# KiCad board ISA_PC104 Backplane.kicad_pcb
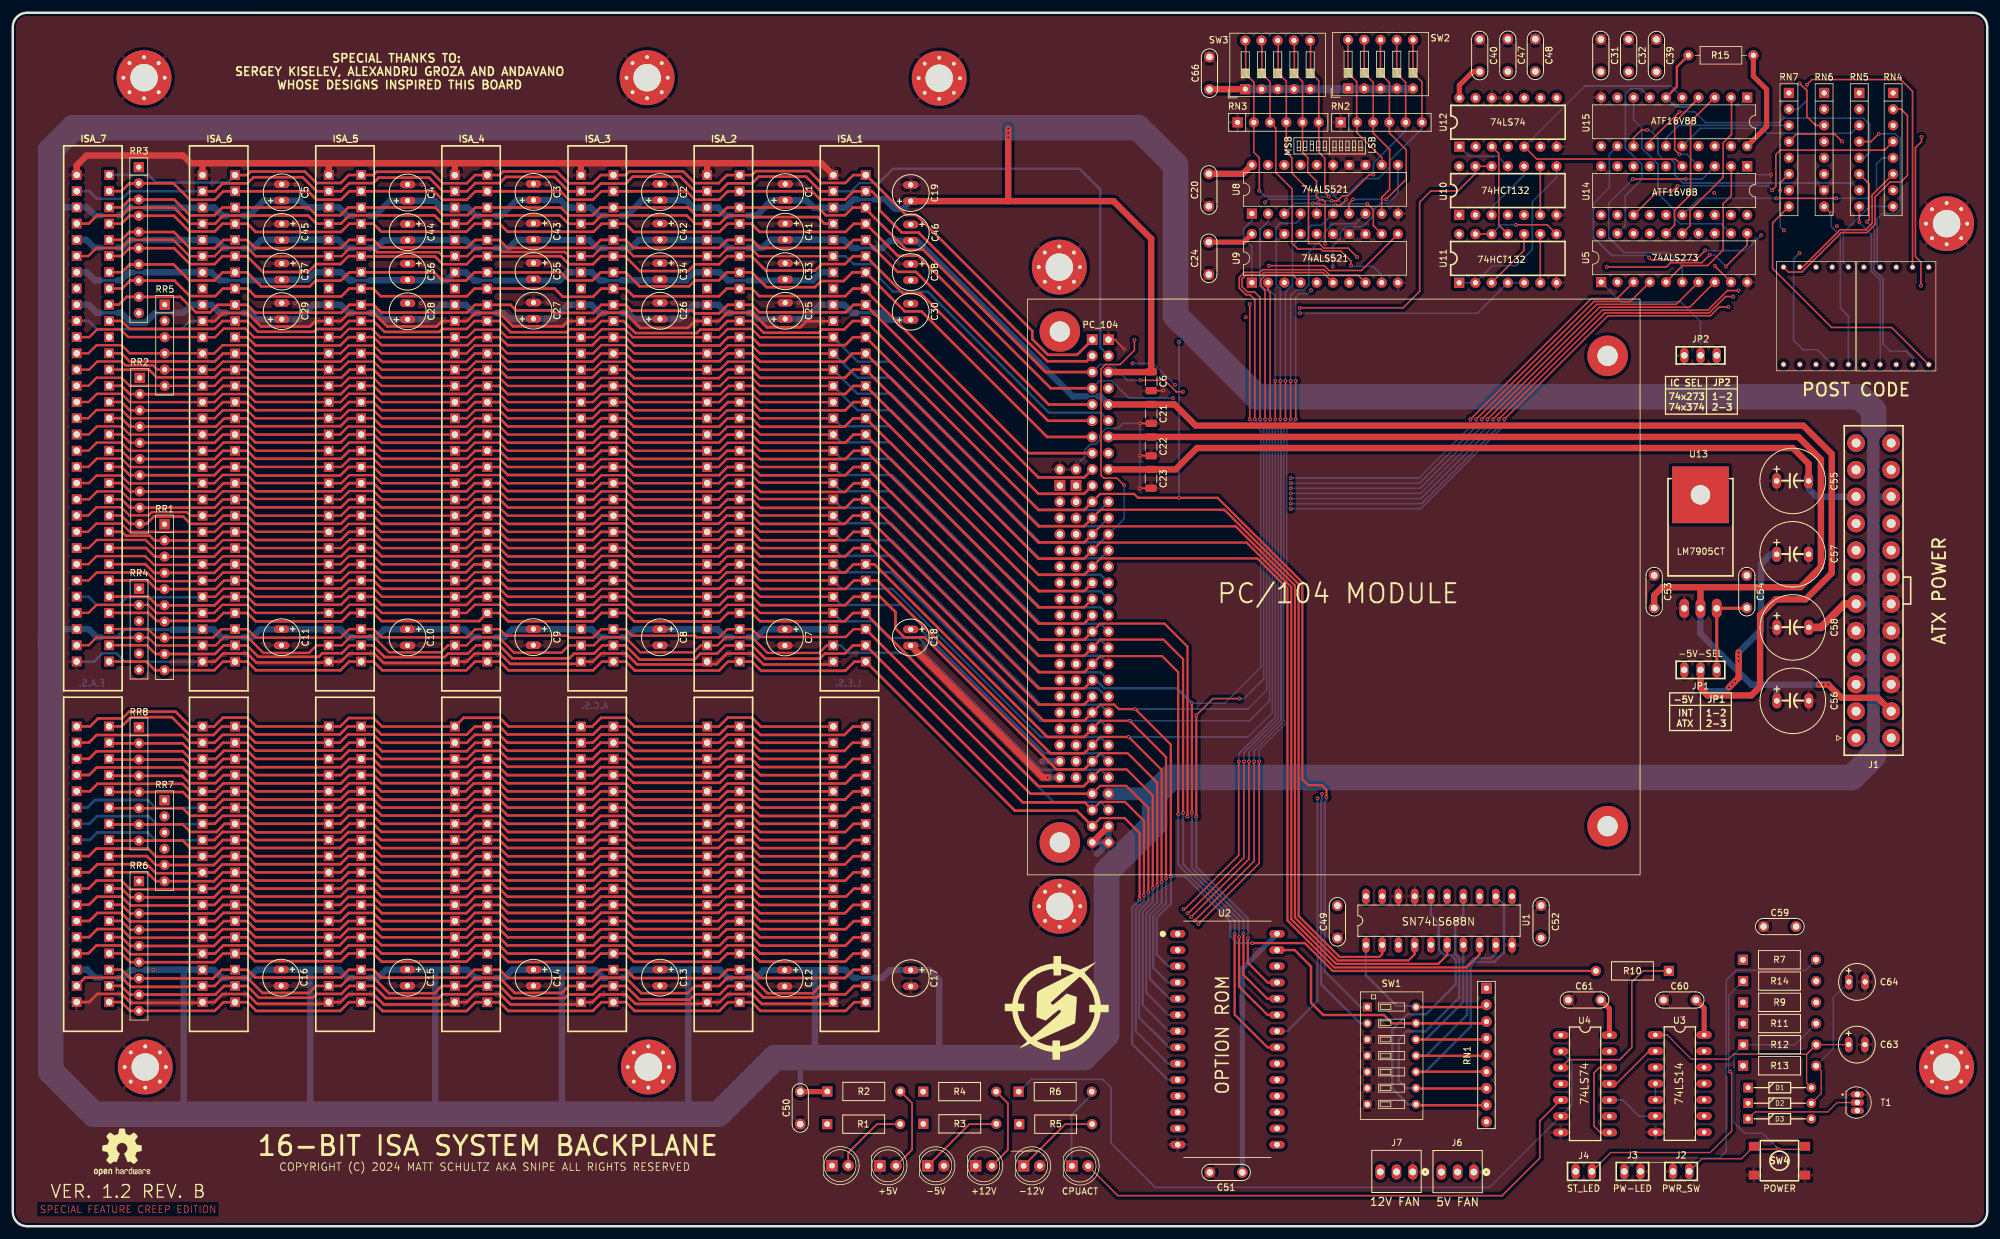
[diagram p0: board, top side]
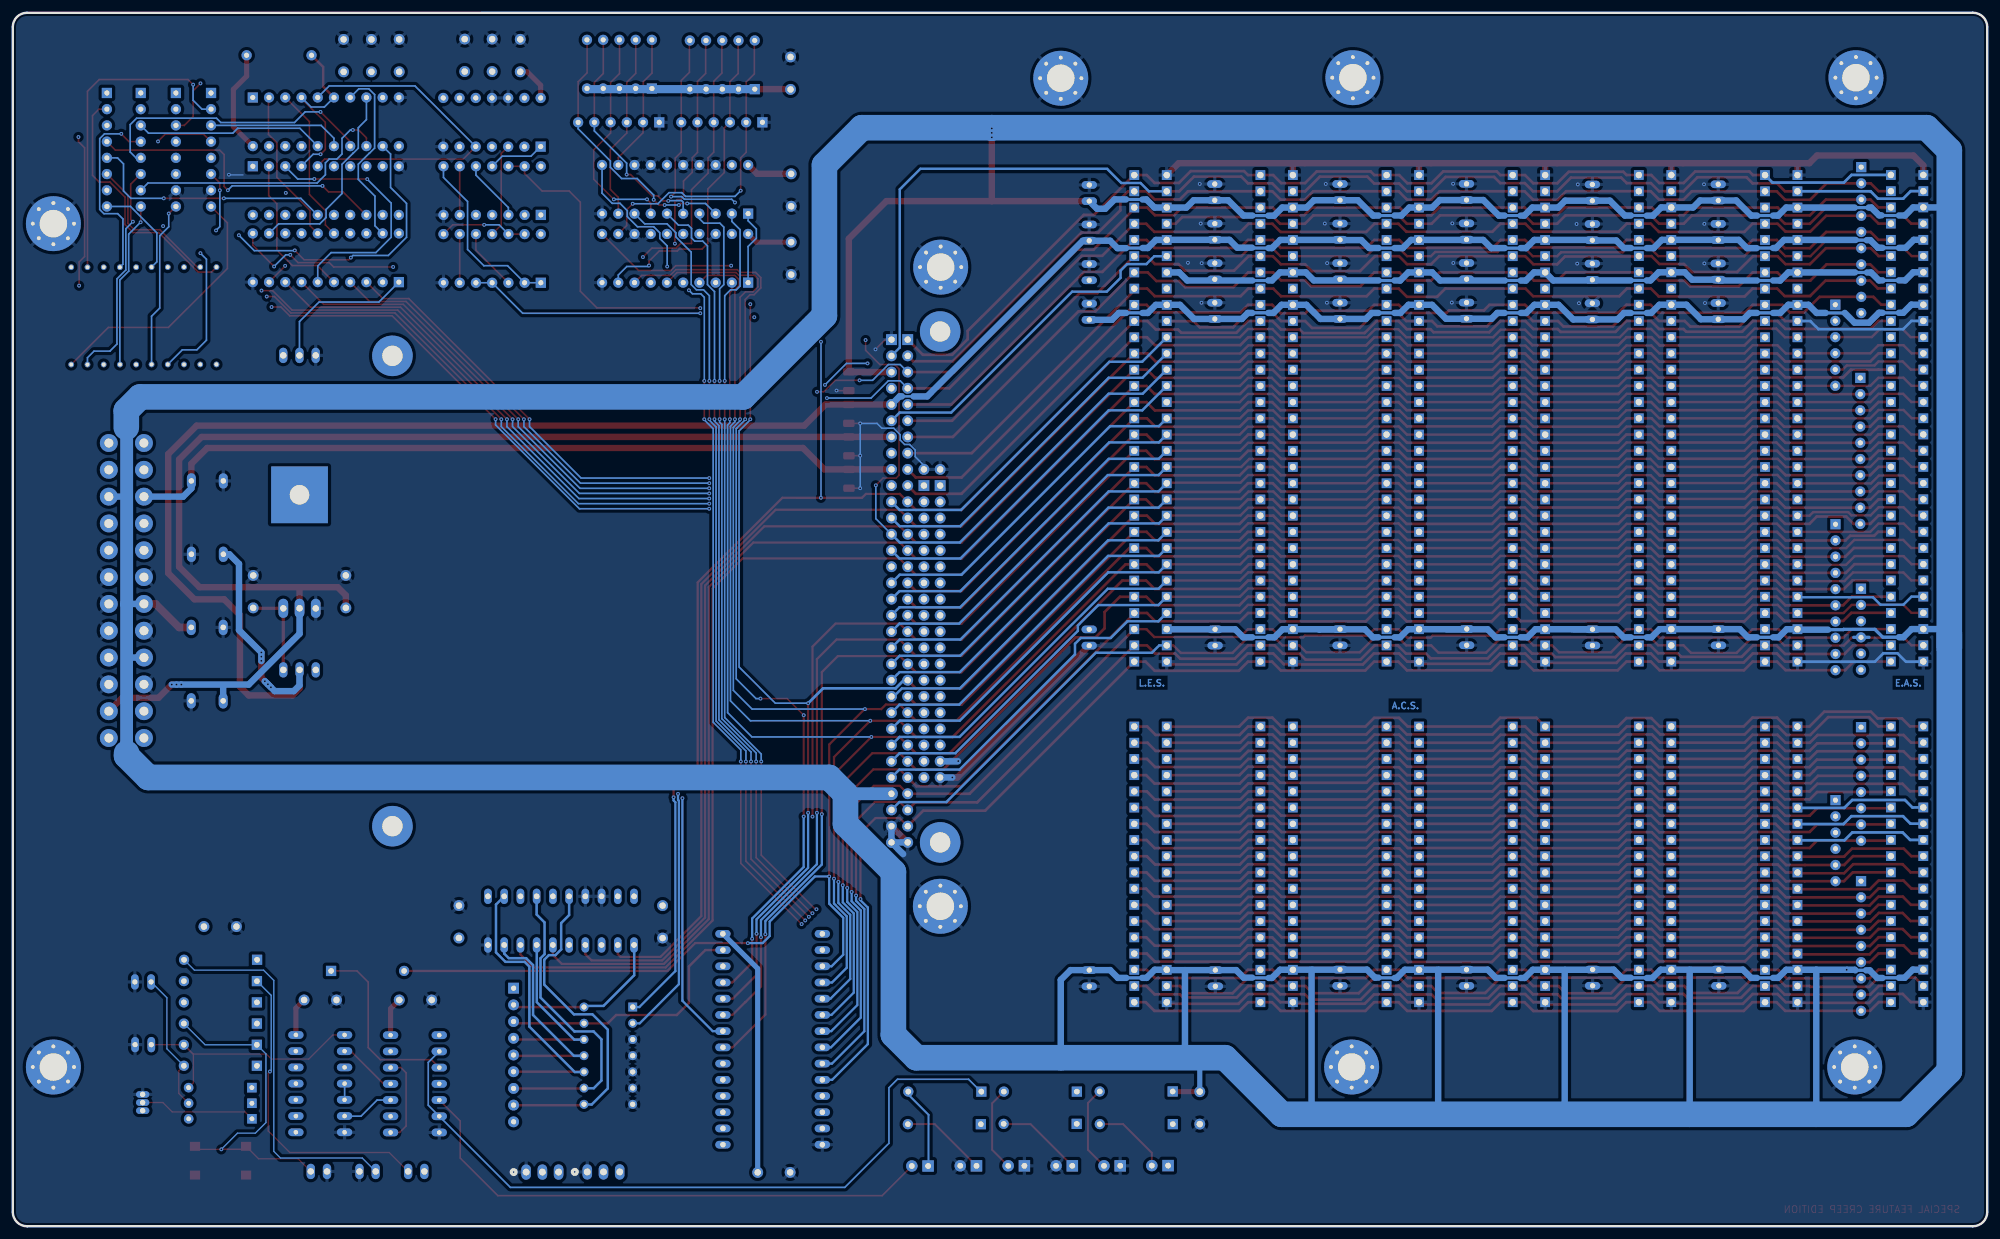
[diagram p1: board, bottom side, seen from below]

Outline 309.03 x 190.04 mm; copper layers: Top, In1.Cu, In2.Cu, Bottom. Coordinates in mm from the lower left corner of the outline.
Outline path: 0,187.81 arc(0.65,189.39) 2.22,190.04 306.8,190.04 arc(308.38,189.39) 309.03,187.81 309.03,2.23 arc(308.38,0.65) 306.8,0 2.23,0 arc(0.65,0.65) 0,2.23 0,187.81
Stack: Top 0.035mm / dielectric 0.1mm FR4 er 4.5 / In1.Cu 0.035mm / dielectric 1.24mm FR4 er 4.5 / In2.Cu 0.035mm / dielectric 0.1mm FR4 er 4.5 / Bottom 0.035mm

## Placement (name value [footprint] x y rotation side)
2024  LOGO  [SnipE_logo_silkscreen]  163.4 34.18 0 top
C1  10uF  [CAP_T350E_5p5X5p5-2p54_KEM]  120.9 161.95 90 top
C2  10uF  [CAP_T350E_5p5X5p5-2p54_KEM]  101.3 161.96 90 top
C3  10uF  [CAP_T350E_5p5X5p5-2p54_KEM]  81.5 161.98 90 top
C4  10uF  [CAP_T350E_5p5X5p5-2p54_KEM]  61.8 161.88 90 top
C5  10uF  [CAP_T350E_5p5X5p5-2p54_KEM]  42.1 161.91 90 top
C6  10uF  [C_1206_3216Metric]  178.18 132.34 270 top
C7  10uF  [CAP_T350E_5p5X5p5-2p54_KEM]  120.85 92.21 270 top
C8  10uF  [CAP_T350E_5p5X5p5-2p54_KEM]  101.3 92.24 270 top
C9  10uF  [CAP_T350E_5p5X5p5-2p54_KEM]  81.47 92.26 270 top
C10  10uF  [CAP_T350E_5p5X5p5-2p54_KEM]  61.78 92.22 270 top
C11  10uF  [CAP_T350E_5p5X5p5-2p54_KEM]  42.07 92.24 270 top
C12  10uF  [CAP_T350E_5p5X5p5-2p54_KEM]  120.81 38.84 270 top
C13  10uF  [CAP_T350E_5p5X5p5-2p54_KEM]  101.3 38.92 270 top
C14  10uF  [CAP_T350E_5p5X5p5-2p54_KEM]  81.5 38.91 270 top
C15  10uF  [CAP_T350E_5p5X5p5-2p54_KEM]  61.76 38.93 270 top
C16  10uF  [CAP_T350E_5p5X5p5-2p54_KEM]  42.01 38.92 270 top
C17  10uF  [CAP_T350E_5p5X5p5-2p54_KEM]  140.54 38.84 270 top
C18  10uF  [CAP_T350E_5p5X5p5-2p54_KEM]  140.55 92.2 270 top
C19  10uF  [CAP_T350E_5p5X5p5-2p54_KEM]  140.54 161.81 90 top
C20  0.1uF  [CAP22]  187.2 162.28 90 top
C21  10uF  [C_1206_3216Metric]  178.18 127.22 90 top
C22  10uF  [C_1206_3216Metric]  178.16 122.14 90 top
C23  10uF  [C_1206_3216Metric]  178.15 117.06 270 top
C24  0.1uF  [CAP22]  187.2 151.58 270 top
C25  10uF  [CAP_T350E_5p5X5p5-2p54_KEM]  120.89 143.36 90 top
C26  10uF  [CAP_T350E_5p5X5p5-2p54_KEM]  101.3 143.36 90 top
C27  10uF  [CAP_T350E_5p5X5p5-2p54_KEM]  81.5 143.39 90 top
C28  10uF  [CAP_T350E_5p5X5p5-2p54_KEM]  61.8 143.29 90 top
C29  10uF  [CAP_T350E_5p5X5p5-2p54_KEM]  42.1 143.31 90 top
C30  10uF  [CAP_T350E_5p5X5p5-2p54_KEM]  140.54 143.22 90 top
C31  0.1uF  [CAP22]  248.55 183.34 90 top
C32  0.1uF  [CAP22]  252.9 183.33 270 top
C33  10uF  [CAP_T350E_5p5X5p5-2p54_KEM]  120.89 149.56 270 top
C34  10uF  [CAP_T350E_5p5X5p5-2p54_KEM]  101.3 149.56 270 top
C35  10uF  [CAP_T350E_5p5X5p5-2p54_KEM]  81.5 149.59 270 top
C36  10uF  [CAP_T350E_5p5X5p5-2p54_KEM]  61.8 149.49 270 top
C37  10uF  [CAP_T350E_5p5X5p5-2p54_KEM]  42.1 149.51 270 top
C38  10uF  [CAP_T350E_5p5X5p5-2p54_KEM]  140.55 149.42 270 top
C39  0.1uF  [CAP22]  257.25 183.33 270 top
C40  10uF  [CAP22]  229.6 183.34 270 top
C41  10uF  [CAP_T350E_5p5X5p5-2p54_KEM]  120.89 155.76 270 top
C42  10uF  [CAP_T350E_5p5X5p5-2p54_KEM]  101.3 155.76 270 top
C43  10uF  [CAP_T350E_5p5X5p5-2p54_KEM]  81.5 155.79 270 top
C44  10uF  [CAP_T350E_5p5X5p5-2p54_KEM]  61.8 155.69 270 top
C45  10uF  [CAP_T350E_5p5X5p5-2p54_KEM]  42.1 155.71 270 top
C46  10uF  [CAP_T350E_5p5X5p5-2p54_KEM]  140.55 155.61 270 top
C47  0.1uF  [CAP22]  234 183.38 270 top
C48  0.1uF  [CAP22]  238.3 183.38 270 top
C49  100nF  [CAP22]  207.32 47.67 90 top
C50  100nF  [CAP22]  123.25 18.53 90 top
C51  100nF  [CAP22]  189.9 8.43 0 top
C52  100nF  [CAP22]  239.2 47.68 270 top
C53  100nF  [CAP22]  256.9 99.38 270 top
C54  100nF  [CAP22]  271.4 99.38 270 top
C55  47uF  [CAP_PL_10X13_NCH]  281.08 116.72 180 top
C56  47uF  [CAP_PL_10X13_NCH]  281.1 82.28 180 top
C57  47uF  [CAP_PL_10X13_NCH]  281.07 105.23 180 top
C58  47uF  [CAP_PL_10X13_NCH]  281.1 93.78 180 top
C59  100nF  [CAP22]  276.57 46.93 0 top
C60  100nF  [CAP22]  260.9 35.43 0 top
C61  100nF  [CAP22]  246 35.43 0 top
C63  1uF  [CAP_T350E_5p5X5p5-2p54_KEM]  288.62 28.44 0 top
C64  10uF  [CAP_T350E_5p5X5p5-2p54_KEM]  288.65 38.26 0 top
C66  0.1uF  [CAP22]  187.3 180.58 270 top
D1  1N4148  [DIOAD990W55L340D162]  271.61 21.7 0 top
D2  1N4148  [DIOAD990W55L340D162]  271.61 19.26 0 top
D3  1N4148  [DIOAD990W55L340D162]  271.6 16.82 0 top
H1  H_HOLE  [MountingHole_4.3mm_M4_Pad_Via]  302.68 157.01 0 top
H2  H_HOLE  [MountingHole_4.3mm_M4_Pad_Via]  302.68 24.93 0 top
H3  H_HOLE  [MountingHole_4.3mm_M4_Pad_Via]  99.29 179.87 90 top
H4  H_HOLE  [MountingHole_4.3mm_M4_Pad_Via]  145.01 179.79 0 top
H5  H_HOLE  [MountingHole_4.3mm_M4_Pad_Via]  99.47 24.93 0 top
H6  H_HOLE  [MountingHole_4.3mm_M4_Pad_Via]  20.73 24.93 0 top
H7  H_HOLE  [MountingHole_4.3mm_M4_Pad_Via]  20.55 179.87 0 top
H8  H_HOLE  [MountingHole_4.3mm_M4_Pad_Via]  163.85 50.11 0 top
H9  H_HOLE  [MountingHole_4.3mm_M4_Pad_Via]  163.8 150.21 0 top
ISA_1  Bus_ISA_16bit  [BP_ISA_16BIT_SQ]  130.96 99.85 90 top
ISA_2  Bus_ISA_16bit  [BP_ISA_16BIT_SQ]  111.22 99.85 90 top
ISA_3  Bus_ISA_16bit  [BP_ISA_16BIT_SQ]  91.47 99.85 90 top
ISA_4  Bus_ISA_16bit  [BP_ISA_16BIT_SQ]  71.73 99.85 90 top
ISA_5  Bus_ISA_16bit  [BP_ISA_16BIT_SQ]  51.99 99.86 90 top
ISA_6  Bus_ISA_16bit  [BP_ISA_16BIT_SQ]  32.24 99.85 90 top
ISA_7  Bus_ISA_16bit  [BP_ISA_16BIT_SQ]  12.54 99.87 90 top
J1  ATX POWER  [J_ATX_5.5mm]  291.25 99.56 90 top
J2  PWR_SW  [P_CONN_01X02]  261.12 8.58 0 top
J3  PW-LED  [P_CONN_01X02]  253.5 8.58 0 top
J4  ST_LED  [P_CONN_01X02]  245.88 8.58 180 top
J6  5V FAN  [CONN3_22232031_MOL]  228.68 8.48 180 top
J7  12V FAN  [CONN3_22232031_MOL]  219.12 8.51 180 top
JP1  -5V-SEL  [P_CONN_01X03]  264.15 87.13 180 top
JP2  Conn_01x03  [P_CONN_01X03]  264.16 136.38 0 top
Label1  ~  [OSHW-Logo2_9.8x8mm_SilkScreen]  17.1 11.58 0 top
LED2  +5V  [LED_D5.0mm]  135.7 9.46 0 top
LED3  -5V  [LED_D5.0mm]  143.2 9.46 0 top
LED4  +12V  [LED_D5.0mm]  150.7 9.46 0 top
LED5  -12V  [LED_D5.0mm]  158.2 9.46 0 top
LED6  CPUACT  [LED_D5.0mm]  165.78 9.43 0 top
LED7  LTS-2801AG  [7SEG_LED_0.58]  282.23 142.52 0 top
LED8  LTS-2801AG  [7SEG_LED_0.58]  294.8 142.5 0 top
PC_104  Bus_PC104_16bit  [PC104_16bit]  158.8 145.2 180 top
R1  470  [STA_CF14_STP]  127.47 15.99 0 top
R2  470  [STA_CF14_STP]  127.49 21.11 0 top
R3  470  [STA_CF14_STP]  142.51 16.03 0 top
R4  1K2  [STA_CF14_STP]  142.49 21.08 0 top
R5  1K2  [STA_CF14_STP]  157.51 15.98 0 top
R6  470  [STA_CF14_STP]  157.44 21.08 0 top
R7  470  [STA_CF14_STP]  270.8 41.73 0 top
R9  10K  [STA_CF14_STP]  270.82 35.06 0 top
R10  1K  [STA_CF14_STP]  259.21 39.98 180 top
R11  10K  [STA_CF14_STP]  270.82 31.74 0 top
R12  470  [STA_CF14_STP]  270.83 28.42 0 top
R13  10K  [STA_CF14_STP]  270.82 25.13 0 top
R14  470  [STA_CF14_STP]  270.81 38.39 0 top
R15  10k  [R_Axial_DIN0207_L6.3mm_D2.5mm_P10.16mm_Horizontal]  262.27 183.38 0 top
RN1  4609X-101-103LF  [BO_4609X]  230.65 37.28 270 top
RN2  10k  [R_Array_SIP6]  207.85 172.88 0 top
RN3  10k  [R_Array_SIP6]  191.7 172.88 0 top
RN4  1k  [R_Array_SIP8]  294.3 177.48 270 top
RN5  1k  [R_Array_SIP8]  289 177.48 270 top
RN6  1k  [R_Array_SIP8]  283.5 177.48 270 top
RN7  1k  [R_Array_SIP8]  278 177.48 270 top
RR1  10k  [R_Array_SIP10]  23.75 109.94 270 top
RR2  10k  [R_Array_SIP10]  19.87 132.85 270 top
RR3  10k  [R_Array_SIP10]  19.72 165.87 270 top
RR4  10k  [R_Array_SIP6]  19.76 99.84 270 top
RR5  4.7k  [R_Array_SIP6]  23.78 144.32 270 top
RR6  10k  [R_Array_SIP9]  19.75 54.05 270 top
RR7  4.7k  [R_Array_SIP6]  23.75 66.73 270 top
RR8  10k  [R_Array_SIP8]  19.75 78.16 270 top
STANDBY1  STDBY  [LED_D5.0mm]  128.22 9.49 0 top
SW1  206-7ST  [Switch_DIP_7_Positions]  215.81 26.71 270 top
SW2  SW_DIP_x05  [SW_DIP_SPSTx05_Slide_9.78x14.88mm_W7.62mm_P2.54mm]  209 178.18 90 top
SW3  SW_DIP_x05  [SW_DIP_SPSTx05_Slide_9.78x14.88mm_W7.62mm_P2.54mm]  192.9 178.08 90 top
SW4  POWER  [SW_B3FS-1010]  276.51 10.26 0 top
T1  2N3904  [TO92127P495H495-3]  288.7 19.37 270 top
U1  SN74LS688N  [DIP300_20N]  211.8 44.05 0 top
U2  AT28C64B-15PU  [DIP1555W45P254L3733H482Q28]  190.1 29.28 0 top
U3  74LS14  [1109931441001000]  257.1 29.96 270 top
U4  74LS74  [1109931441001000]  242.28 29.92 270 top
U5  74ALS273  [DIP-20_W7.62mm]  248.6 147.86 90 top
U8  74ALS521  [DIP-20_W7.62mm]  193.94 158.58 90 top
U9  74ALS521  [DIP-20_W7.62mm]  193.94 147.78 90 top
U10  74HCT132  [U_DIP-14_W7.62mm]  226.38 158.38 90 top
U11  74HCT132  [U_DIP-14_W7.62mm]  226.38 147.76 90 top
U12  74LS74  [U_DIP-14_W7.62mm]  226.41 169.08 90 top
U13  LM7905CT  [SB_TO220]  261.61 96.77 270 top
U14  ATF16V8B  [DIP-20_W7.62mm]  271.46 166 270 top
U15  ATF16V8B  [DIP-20_W7.62mm]  271.46 176.78 270 top

## Library data of the parts
C1-C5 C7-C19 C25-C30 C33-C38 C41-C46 C55-C61 = -: ki_fp_filters: SMD*_Pol c_elec* C*elec TantalC* Elko* CP*
C20 C24 C31 C32 C39 C40 C47 C48 C66 = -: ki_fp_filters: C_*
D1-D3 = -: Datasheet: https://assets.nexperia.com/documents/data-sheet/1N4148_1N4448.pdf; Description: 100V 0.15A standard switching diode, DO-35; Sim.Device: D; Sim.Pins: 1=K 2=A; ki_fp_filters: D*DO?35*
ISA_1-ISA_7 = -: Datasheet: https://en.wikipedia.org/wiki/Industry_Standard_Architecture; Description: 16-bit ISA-AT bus connector
J2-J4 = -: Description: Generic connector, single row, 01x02, script generated (kicad-library-utils/schlib/autogen/connector/); ki_fp_filters: Connector*:*_1x??_*
J6 J7 = -: Datasheet: 22232031; ki_fp_filters: CONN3_22232031_MOL
JP2 = -: Description: Generic connector, single row, 01x03, script generated (kicad-library-utils/schlib/autogen/connector/); ki_fp_filters: Connector*:*_1x??_*
LED2-LED6 STANDBY1 = -: Description: Light emitting diode; ki_fp_filters: LED* LED_SMD:* LED_THT:*
PC_104 = -: Datasheet: https://pc104.org/wp-content/uploads/2015/02/PC104_Spec_v2_6.pdf
R1-R7 R9-R14 = -: Description: resistor; Indicator: +; Rating: W
R15 = -: ki_fp_filters: R_*
RN1 = -: ki_fp_filters: BO_4609X
RN2-RN7 = -: Datasheet: http://www.vishay.com/docs/31509/csc.pdf; ki_fp_filters: R?Array?SIP*
RR1-RR3 = -: Datasheet: http://www.vishay.com/docs/31509/csc.pdf; Description: 9 resistor network, star topology, bussed resistors, small symbol; ki_fp_filters: R?Array?SIP*
RR4 RR5 RR7 = -: Datasheet: http://www.vishay.com/docs/31509/csc.pdf; Description: 5 resistor network, star topology, bussed resistors, small symbol; ki_fp_filters: R?Array?SIP*
RR6 = -: Datasheet: http://www.vishay.com/docs/31509/csc.pdf; Description: 8 resistor network, star topology, bussed resistors, small symbol; ki_fp_filters: R?Array?SIP*
RR8 = -: Datasheet: http://www.vishay.com/docs/31509/csc.pdf; Description: 7 resistor network, star topology, bussed resistors, small symbol; ki_fp_filters: R?Array?SIP*
SW1 = -: Datasheet: https://datasheet.datasheetarchive.com/originals/distributors/Datasheets-DGA6/504793.pdf; Description: DIP Switches / SIP Switches SPST 7 switch sections; Height: 7.6; Mouser Part Number: 774-2067ST; Mouser Price/Stock: https://www.mouser.co.uk/ProductDetail/CTS-Electronic-Components/206-7ST?qs=qNzHFtQhdJ%252BsHYqYT9ynMw%3D%3D; Manufacturer_Name: CTS
SW2 SW3 = -: ki_fp_filters: SW?DIP?x5*
SW4 = -: Description: Single Pole Single Throw (SPST) switch
T1 = -: Datasheet: https://my.centralsemi.com/datasheets/2N2221.PDF; Description: Bipolar Transistors - BJT NPN Silicon; Height: 5.33; Mouser Part Number: 610-2N2222; Mouser Price/Stock: https://www.mouser.co.uk/ProductDetail/Central-Semiconductor/2N2222-PBFREE?qs=u16ybLDytRZWJogOmjHVFA%3D%3D; Manufacturer_Name: Central Semiconductor; Manufacturer_Part_Number: 2N2222 PBFREE
U1 = -: ki_fp_filters: N20
U2 = -: PARTREV: B; STANDARD: IPC 7351B; MAXIMUM_PACKAGE_HEIGHT: 4.826 mm; MANUFACTURER: Microchip Technology
U3 = -: Datasheet: http://www.ti.com/lit/gpn/sn74LS14; Description: Hex inverter schmitt trigger; ki_fp_filters: DIP*W7.62mm*
U4 = -: Datasheet: 74xx/74hc_hct74.pdf; Description: Dual D Flip-flop, Set & Reset; ki_fp_filters: DIP*W7.62mm*
U5 = -: Datasheet: http://www.ti.com/lit/gpn/sn74LS273; ki_fp_filters: DIP?20* SO?20* SOIC?20*
U8 U9 = -: Datasheet: http://www.ti.com/lit/gpn/sn74LS688; ki_fp_filters: DIP?20*
U10 U11 = -: ki_fp_filters: DIP*W7.62mm*
U12 = -: Datasheet: 74xx/74hc_hct74.pdf; ki_fp_filters: DIP*W7.62mm*
U13 = -: ki_fp_filters: TO*

## Footprints (pads in the part's own frame, mm; a bottom-side part is the same pattern mirrored in y, then rotated)
7SEG_LED_0.58
  round 0.9 hole 0.6: 1(-5.08,-7.55) 2(-2.54,-7.55) 3(0,-7.55) 4(2.54,-7.55) 5(5.08,-7.55) 6(-5.08,7.691) 7(-2.54,7.691) 8(0,7.691) 9(2.54,7.691) 10(5.08,7.691)
1109931441001000
  oval 1.214x2.4 hole 0.708: 1(0,0) 2(2.54,0) 3(5.08,0) 4(7.62,0) 5(10.16,0) 6(12.7,0) 7(15.24,0) 8(15.24,7.62) 9(12.7,7.62) 10(10.16,7.62) 11(7.62,7.62) 12(5.08,7.62)
  oval 1.2x2.4 hole 0.708: 13(2.54,7.62) 14(0,7.62)
BO_4609X
  rect 1.7x1.7 hole 0.813: 1(0,0)
  round 1.7 hole 0.813: 2(2.616,0) 3(5.232,0) 4(7.849,0) 5(10.465,0) 6(13.081,0) 7(15.697,0) 8(18.313,0) 9(20.93,0)
BP_ISA_16BIT_SQ
  rect 1.524x1.524 hole 1.016: 1(64.77,2.54) 2(62.23,2.54) 3(59.69,2.54) 4(57.15,2.54) 5(54.61,2.54) 6(52.07,2.54) 7(49.53,2.54) 8(46.99,2.54) 9(44.45,2.54) 10(41.91,2.54) 11(39.37,2.54) 12(36.83,2.54) 13(34.29,2.54) 14(31.75,2.54) 15(29.21,2.54) 16(26.67,2.54) 17(24.13,2.54) 18(21.59,2.54) 19(19.05,2.54) 20(16.51,2.54) 21(13.97,2.54) 22(11.43,2.54) 23(8.89,2.54) 24(6.35,2.54) 25(3.81,2.54) 26(1.27,2.54) 27(-1.27,2.54) 28(-3.81,2.54) 29(-6.35,2.54) 30(-8.89,2.54) 31(-11.43,2.54) 32(64.77,-2.54) 33(62.23,-2.54) 34(59.69,-2.54) 35(57.15,-2.54) 36(54.61,-2.54) 37(52.07,-2.54) 38(49.53,-2.54) 39(46.99,-2.54) 40(44.45,-2.54) 41(41.91,-2.54) 42(39.37,-2.54) 43(36.83,-2.54) 44(34.29,-2.54) 45(31.75,-2.54) 46(29.21,-2.54) 47(26.67,-2.54) 48(24.13,-2.54) 49(21.59,-2.54) 50(19.05,-2.54) 51(16.51,-2.54) 52(13.97,-2.54) 53(11.43,-2.54) 54(8.89,-2.54) 55(6.35,-2.54) 56(3.81,-2.54) 57(1.27,-2.54) 58(-1.27,-2.54) 59(-3.81,-2.54) 60(-6.35,-2.54) 61(-8.89,-2.54) 62(-11.43,-2.54) 63(-21.59,2.54) 64(-24.13,2.54) 65(-26.67,2.54) 66(-29.21,2.54) 67(-31.75,2.54) 68(-34.29,2.54) 69(-36.83,2.54) 70(-39.37,2.54) 71(-41.91,2.54) 72(-44.45,2.54) 73(-46.99,2.54) 74(-49.53,2.54) 75(-52.07,2.54) 76(-54.61,2.54) 77(-57.15,2.54) 78(-59.69,2.54) 79(-62.23,2.54) 80(-64.77,2.54) 81(-21.59,-2.54) 82(-24.13,-2.54) 83(-26.67,-2.54) 84(-29.21,-2.54) 85(-31.75,-2.54) 86(-34.29,-2.54) 87(-36.83,-2.54) 88(-39.37,-2.54) 89(-41.91,-2.54) 90(-44.45,-2.54) 91(-46.99,-2.54) 92(-49.53,-2.54) 93(-52.07,-2.54) 94(-54.61,-2.54) 95(-57.15,-2.54) 96(-59.69,-2.54) 97(-62.23,-2.54) 98(-64.77,-2.54)
C_1206_3216Metric
  rrect 1.15x1.8 smd: 1(-1.475,0) 2(1.475,0)
CAP22
  round 1.702 hole 1.016: 1(2.54,0) 2(-2.54,0)
CAP_PL_10X13_NCH
  oval 1.4x2.4 hole 0.864: 1(0,0) 2(5,0)
CAP_T350E_5p5X5p5-2p54_KEM
  oval 1.2x2.4 hole 0.813: 1(-1.27,0) 2(1.27,0)
CONN3_22232031_MOL
  oval 1.5x2.4 hole 1.067: 1(0,0) 2(2.54,0) 3(5.08,0)
DIOAD990W55L340D162
  rect 1.5x1.5 hole 0.75: 1(0,0)
  round 1.5 hole 0.75: 2(9.9,0)
DIP300_20N
  oval 1.2x2.4 hole 0.889: 1(0,0) 2(2.54,0) 3(5.08,0) 4(7.62,0) 5(10.16,0) 6(12.7,0) 7(15.24,0) 8(17.78,0) 9(20.32,0) 10(22.86,0) 11(22.86,7.62) 12(20.32,7.62) 13(17.78,7.62) 14(15.24,7.62) 15(12.7,7.62) 16(10.16,7.62) 17(7.62,7.62) 18(5.08,7.62) 19(2.54,7.62) 20(0,7.62)
DIP1555W45P254L3733H482Q28
  oval 2.4x1.2 hole 0.87: 1(-7.779,16.51) 2(-7.779,13.97) 3(-7.779,11.43) 4(-7.779,8.89) 5(-7.779,6.35) 6(-7.779,3.81) 7(-7.779,1.27) 8(-7.779,-1.27) 9(-7.779,-3.81) 10(-7.779,-6.35) 11(-7.779,-8.89) 12(-7.779,-11.43) 13(-7.779,-13.97) 14(-7.779,-16.51) 15(7.779,-16.51) 16(7.779,-13.97) 17(7.779,-11.43) 18(7.779,-8.89) 19(7.779,-6.35) 20(7.779,-3.81) 21(7.779,-1.27) 22(7.779,1.27) 23(7.779,3.81) 24(7.779,6.35) 25(7.779,8.89) 26(7.779,11.43) 27(7.779,13.97) 28(7.779,16.51)
DIP-20_W7.62mm
  rect 1.6x1.6 hole 0.8: 1(0,0)
  oval 1.6x1.6 hole 0.8: 2(0,-2.54) 3(0,-5.08) 4(0,-7.62) 5(0,-10.16) 6(0,-12.7) 7(0,-15.24) 8(0,-17.78) 9(0,-20.32) 10(0,-22.86) 11(7.62,-22.86) 12(7.62,-20.32) 13(7.62,-17.78) 14(7.62,-15.24) 15(7.62,-12.7) 16(7.62,-10.16) 17(7.62,-7.62) 18(7.62,-5.08) 19(7.62,-2.54) 20(7.62,0)
J_ATX_5.5mm
  round 2.8 hole 1.4: 1(-23.1,2.75) 2(-18.9,2.75) 3(-14.7,2.75) 4(-10.5,2.75) 5(-6.3,2.75) 6(-2.1,2.75) 7(2.1,2.75) 8(6.3,2.75) 9(10.5,2.75) 10(14.7,2.75) 11(18.9,2.75) 12(23.1,2.75) 13(-23.1,-2.75) 14(-18.9,-2.75) 15(-14.7,-2.75) 16(-10.5,-2.75) 17(-6.3,-2.75) 18(-2.1,-2.75) 19(2.1,-2.75) 20(6.3,-2.75) 21(10.5,-2.75) 22(14.7,-2.75) 23(18.9,-2.75) 24(23.1,-2.75)
LED_D5.0mm
  rect 1.8x1.8 hole 0.9: 1(0,0)
  round 1.8 hole 0.9: 2(2.54,0)
MountingHole_4.3mm_M4_Pad_Via
  round 0.9 hole 0.6: 1(-3.225,0) 1(-2.28,2.28) 1(-2.28,-2.28) 1(0,3.225) 1(0,-3.225) 1(2.28,2.28) 1(2.28,-2.28) 1(3.225,0)
  round 8.6 hole 4.3: 1(0,0)
P_CONN_01X02
  oval 1.3x2.4 hole 1.016: 1(-1.27,0) 2(1.27,0)
P_CONN_01X03
  oval 1.3x2.4 hole 1.016: 1(-2.54,0) 2(0,0) 3(2.54,0)
PC104_16bit
  round 6.35 hole 3.18: (-90.81,82.55) (-90.81,8.89) (-5.08,85.09) (-5.08,5.08)
  rect 1.7x1.7 hole 1: A1(-10.16,6.35) B1(-12.7,6.35) C1(-7.62,29.21) D1(-5.08,29.21)
  oval 1.7x1.7 hole 1: A2(-10.16,8.89) A3(-10.16,11.43) A4(-10.16,13.97) A5(-10.16,16.51) A6(-10.16,19.05) A7(-10.16,21.59) A8(-10.16,24.13) A9(-10.16,26.67) A10(-10.16,29.21) A11(-10.16,31.75) A12(-10.16,34.29) A13(-10.16,36.83) A14(-10.16,39.37) A15(-10.16,41.91) A16(-10.16,44.45) A17(-10.16,46.99) A18(-10.16,49.53) A19(-10.16,52.07) A20(-10.16,54.61) A21(-10.16,57.15) A22(-10.16,59.69) A23(-10.16,62.23) A24(-10.16,64.77) A25(-10.16,67.31) A26(-10.16,69.85) A27(-10.16,72.39) A28(-10.16,74.93) A29(-10.16,77.47) A30(-10.16,80.01) A31(-10.16,82.55) A32(-10.16,85.09) B2(-12.7,8.89) B3(-12.7,11.43) B4(-12.7,13.97) B5(-12.7,16.51) B6(-12.7,19.05) B7(-12.7,21.59) B8(-12.7,24.13) B9(-12.7,26.67) B10(-12.7,29.21) B11(-12.7,31.75) B12(-12.7,34.29) B13(-12.7,36.83) B14(-12.7,39.37) B15(-12.7,41.91) B16(-12.7,44.45) B17(-12.7,46.99) B18(-12.7,49.53) B19(-12.7,52.07) B20(-12.7,54.61) B21(-12.7,57.15) B22(-12.7,59.69) B23(-12.7,62.23) B24(-12.7,64.77) B25(-12.7,67.31) B26(-12.7,69.85) B27(-12.7,72.39) B28(-12.7,74.93) B29(-12.7,77.47) B30(-12.7,80.01) B31(-12.7,82.55) B32(-12.7,85.09) C0(-7.62,26.67) C2(-7.62,31.75) C3(-7.62,34.29) C4(-7.62,36.83) C5(-7.62,39.37) C6(-7.62,41.91) C7(-7.62,44.45) C8(-7.62,46.99) C9(-7.62,49.53) C10(-7.62,52.07) C11(-7.62,54.61) C12(-7.62,57.15) C13(-7.62,59.69) C14(-7.62,62.23) C15(-7.62,64.77) C16(-7.62,67.31) C17(-7.62,69.85) C18(-7.62,72.39) C19(-7.62,74.93) D0(-5.08,26.67) D2(-5.08,31.75) D3(-5.08,34.29) D4(-5.08,36.83) D5(-5.08,39.37) D6(-5.08,41.91) D7(-5.08,44.45) D8(-5.08,46.99) D9(-5.08,49.53) D10(-5.08,52.07) D11(-5.08,54.61) D12(-5.08,57.15) D13(-5.08,59.69) D14(-5.08,62.23) D15(-5.08,64.77) D16(-5.08,67.31) D17(-5.08,69.85) D18(-5.08,72.39) D19(-5.08,74.93)
R_Array_SIP6
  rect 1.6x1.6 hole 0.8: 1(0,0)
  oval 1.6x1.6 hole 0.8: 2(2.54,0) 3(5.08,0) 4(7.62,0) 5(10.16,0) 6(12.7,0)
R_Array_SIP8
  rect 1.6x1.6 hole 0.8: 1(0,0)
  oval 1.6x1.6 hole 0.8: 2(2.54,0) 3(5.08,0) 4(7.62,0) 5(10.16,0) 6(12.7,0) 7(15.24,0) 8(17.78,0)
R_Array_SIP9
  rect 1.6x1.6 hole 0.8: 1(0,0)
  oval 1.6x1.6 hole 0.8: 2(2.54,0) 3(5.08,0) 4(7.62,0) 5(10.16,0) 6(12.7,0) 7(15.24,0) 8(17.78,0) 9(20.32,0)
R_Array_SIP10
  rect 1.6x1.6 hole 0.8: 1(0,0)
  oval 1.6x1.6 hole 0.8: 2(2.54,0) 3(5.08,0) 4(7.62,0) 5(10.16,0) 6(12.7,0) 7(15.24,0) 8(17.78,0) 9(20.32,0) 10(22.86,0)
R_Axial_DIN0207_L6.3mm_D2.5mm_P10.16mm_Horizontal
  round 1.6 hole 0.8: 1(0,0)
  oval 1.6x1.6 hole 0.8: 2(10.16,0)
SB_TO220
  rect 8.89x8.89 hole 3.048: (-17.78,2.54)
  oval 3x1.524 hole 1.016: 1(0,0) 2(0,2.54) 3(0,5.08)
STA_CF14_STP
  rect 1.6x1.6 hole 0.889: 1(0,0)
  round 1.6 hole 0.889: 2(11.43,0)
SW_B3FS-1010
  rect 1.6x1.4 smd: 1(-4,-2.25) 1(4,-2.25) 2(-4,2.25) 2(4,2.25)
SW_DIP_SPSTx05_Slide_9.78x14.88mm_W7.62mm_P2.54mm
  rect 1.6x1.6 hole 0.8: 1(0,0)
  oval 1.6x1.6 hole 0.8: 2(0,-2.54) 3(0,-5.08) 4(0,-7.62) 5(0,-10.16) 6(7.62,-10.16) 7(7.62,-7.62) 8(7.62,-5.08) 9(7.62,-2.54) 10(7.62,0)
Switch_DIP_7_Positions
  rect 1.397x1.397 hole 0.813: 1(-7.62,-3.81)
  round 1.397 hole 0.813: 2(-5.08,-3.81) 3(-2.54,-3.81) 4(0,-3.81) 5(2.54,-3.81) 6(5.08,-3.81) 7(7.62,-3.81) 8(7.62,3.81) 9(5.08,3.81) 10(2.54,3.81) 11(0,3.81) 12(-2.54,3.81) 13(-5.08,3.81) 14(-7.62,3.81)
TO92127P495H495-3
  oval 1.04x2.08 hole 0.84: 1(-1.27,0) 2(0,0) 3(1.27,0)
U_DIP-14_W7.62mm
  rect 1.6x1.6 hole 0.8: 1(0,0)
  oval 1.6x1.6 hole 0.8: 2(0,-2.54) 3(0,-5.08) 4(0,-7.62) 5(0,-10.16) 6(0,-12.7) 7(0,-15.24) 8(7.62,-15.24) 9(7.62,-12.7) 10(7.62,-10.16) 11(7.62,-7.62) 12(7.62,-5.08) 13(7.62,-2.54) 14(7.62,0)
